# Altium PCB PCB_CARTE_SON.PcbDoc (part 3 of 5)
Units mil, origin at the board's own origin, x right, y up, seen from the top; angles counter-clockwise.
Board outline 6000 x 4000 mil, 2 copper layers (Top Layer, Bottom Layer); 1714 components, 935 nets, 4585 pads, 9 vias.
Unrouted connection lines stored in the file: 2325.
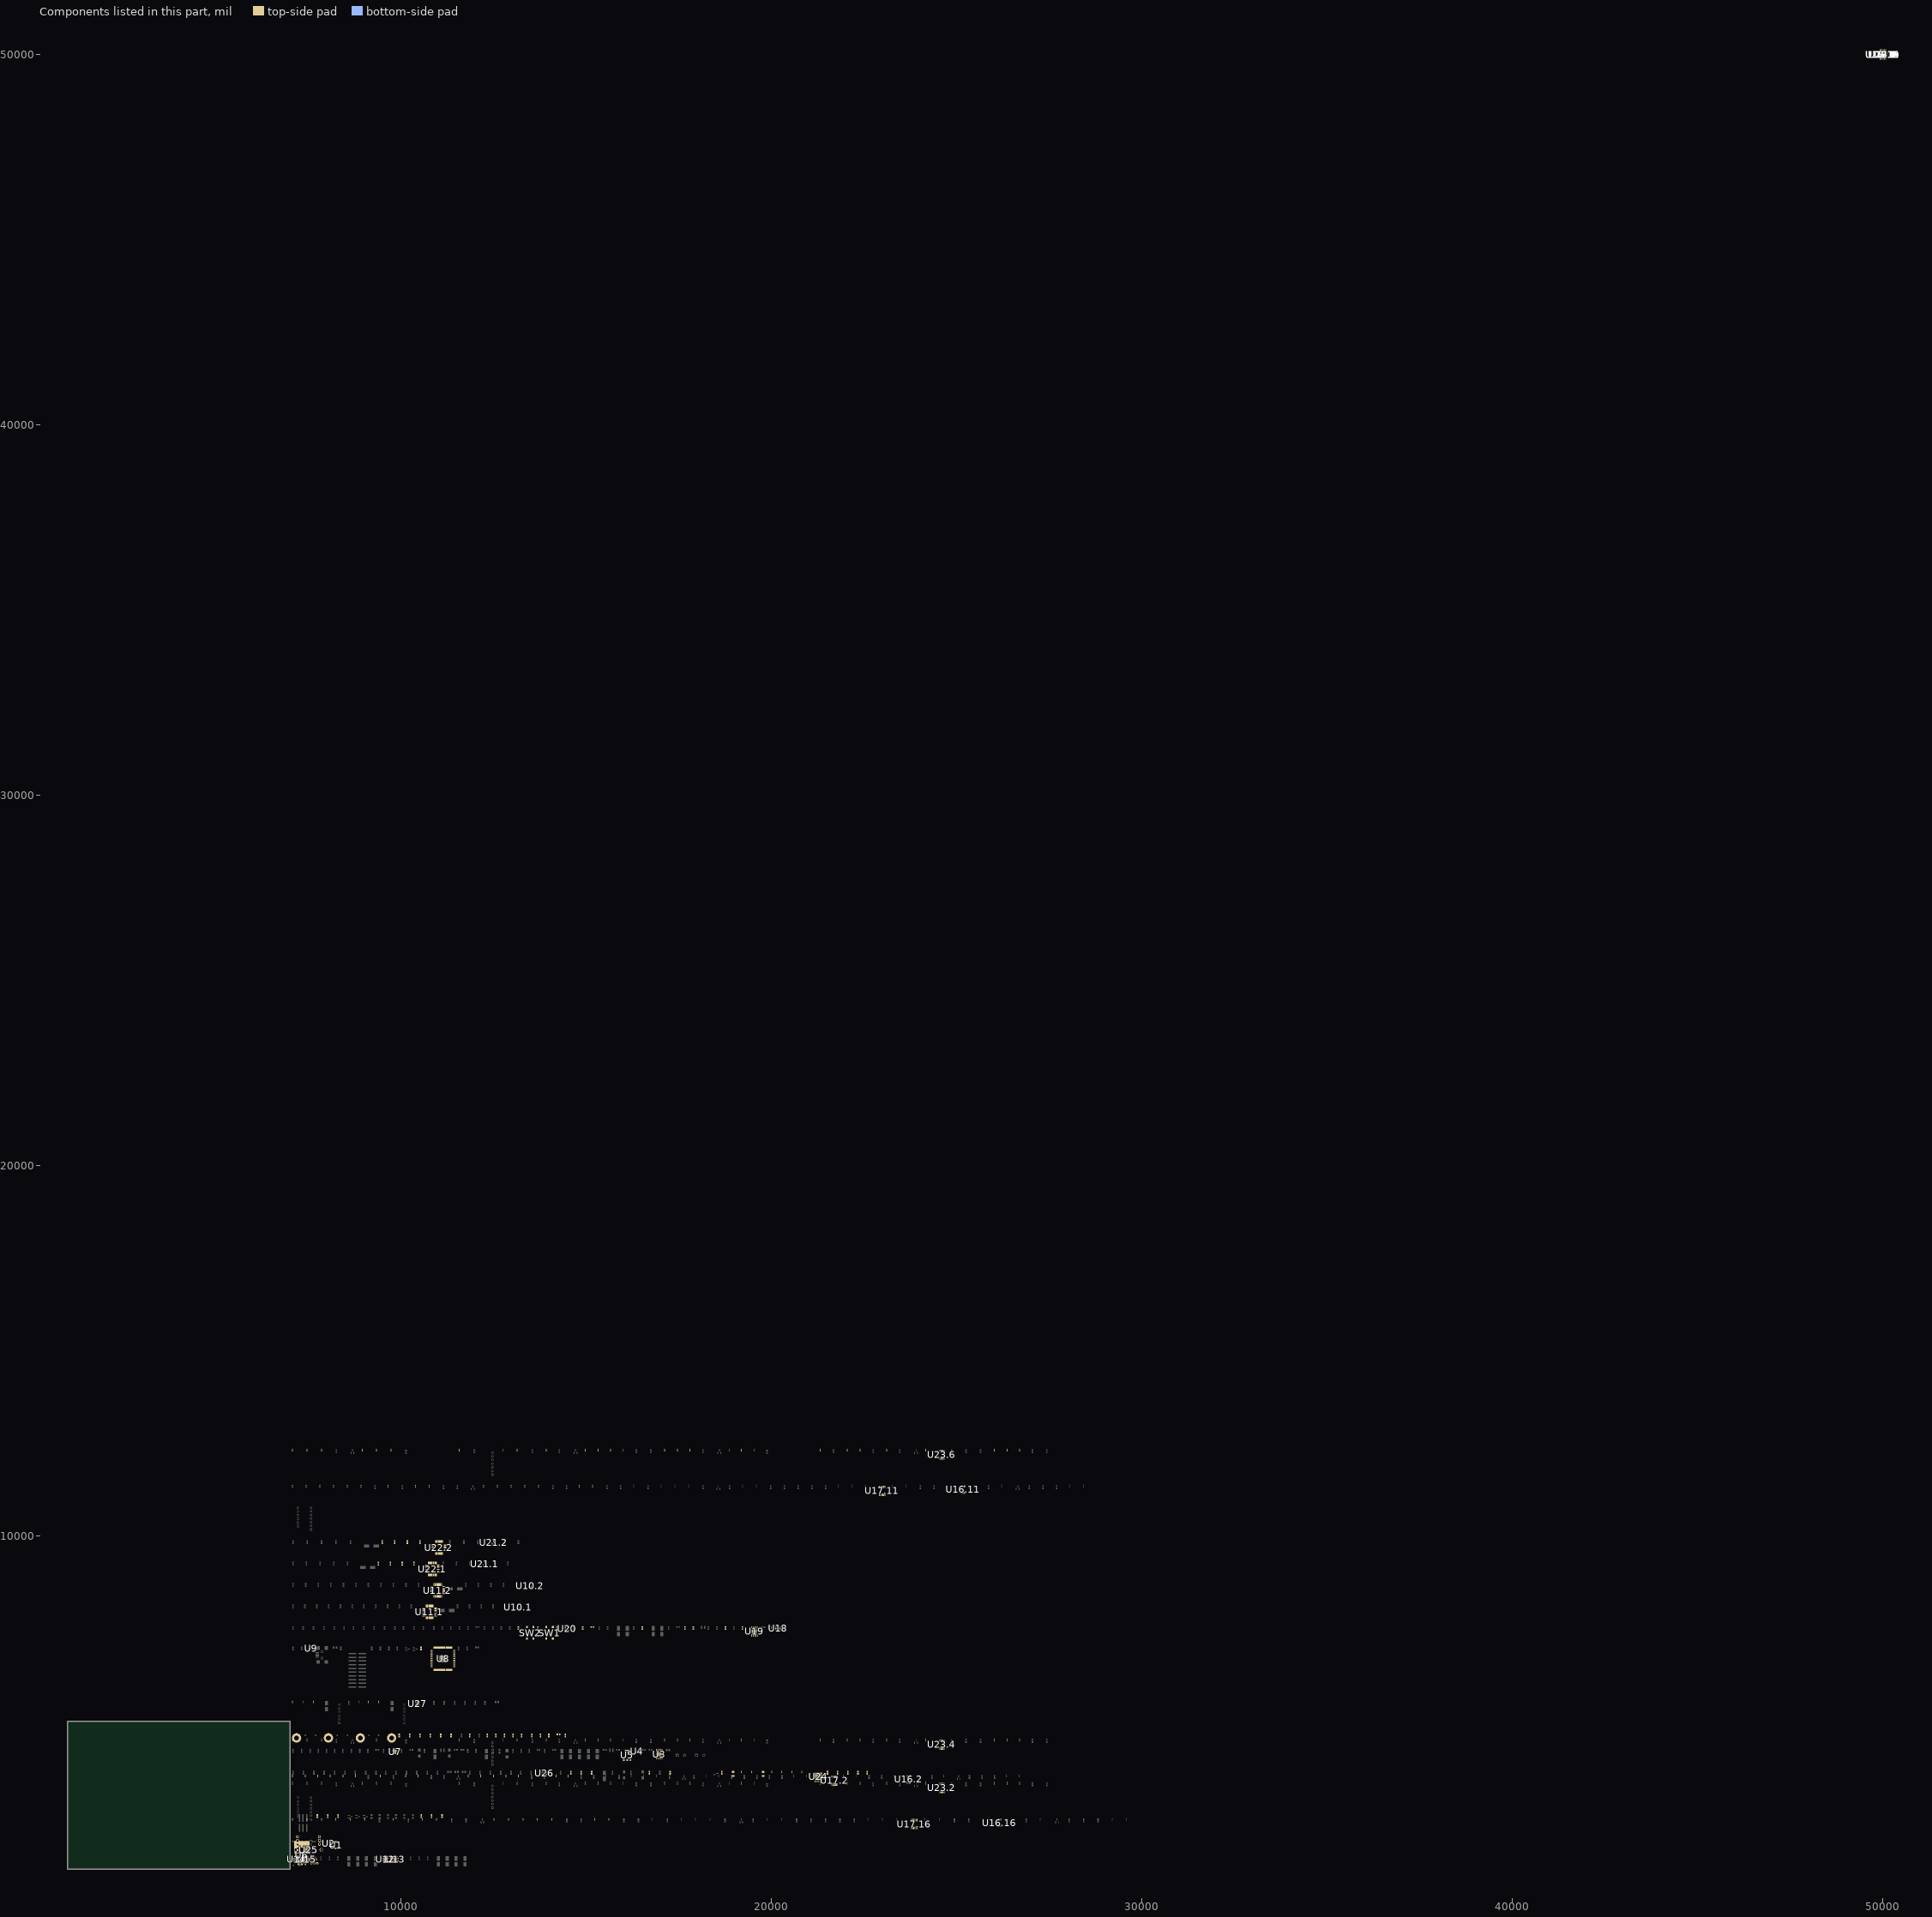
[diagram p3: the components of this part, seen from the top]

## Components (designator, comment, footprint, x,y, rotation, side; value= is the part's Value field where it differs from the comment) (continued)
R50.1 "Resistor" 0402 49999.5,49999.5 r0 top (schematic designator R50)
R50.2 "Resistor" 0402 14510,3520 r90 top (schematic designator R50)
R50.3 "Resistor" 0402 49999.5,49999.5 r0 top (schematic designator R50)
R50.4 "Resistor" 0402 49999.5,49999.5 r0 top (schematic designator R50)
R50.5 "Resistor" 0402 49999.5,49999.5 r0 top (schematic designator R50)
R50.6 "Resistor" 0402 49999.5,49999.5 r0 top (schematic designator R50)
R50.7 "Resistor" 0402 49999.5,49999.5 r0 top (schematic designator R50)
R50.8 "Resistor" 0402 49999.5,49999.5 r0 top (schematic designator R50)
R50.9 "Resistor" 0402 49999.5,49999.5 r0 top (schematic designator R50)
R50.10 "Resistor" 0402 49999.5,49999.5 r0 top (schematic designator R50)
R50.11 "Resistor" 0402 15170,11345 r90 top (schematic designator R50)
R50.12 "Resistor" 0402 49999.5,49999.5 r0 top (schematic designator R50)
R50.13 "Resistor" 0402 49999.5,49999.5 r0 top (schematic designator R50)
R50.14 "Resistor" 0402 49999.5,49999.5 r0 top (schematic designator R50)
R50.15 "Resistor" 0402 49999.5,49999.5 r0 top (schematic designator R50)
R50.16 "Resistor" 0402 15610,2350 r90 top (schematic designator R50)
R51.1 "Resistor" 0402 49999.5,49999.5 r0 top (schematic designator R51)
R51.2 "Resistor" 0402 14180,3520 r90 top (schematic designator R51)
R51.3 "Resistor" 0402 49999.5,49999.5 r0 top (schematic designator R51)
R51.4 "Resistor" 0402 49999.5,49999.5 r0 top (schematic designator R51)
R51.5 "Resistor" 0402 49999.5,49999.5 r0 top (schematic designator R51)
R51.6 "Resistor" 0402 49999.5,49999.5 r0 top (schematic designator R51)
R51.7 "Resistor" 0402 49999.5,49999.5 r0 top (schematic designator R51)
R51.8 "Resistor" 0402 49999.5,49999.5 r0 top (schematic designator R51)
R51.9 "Resistor" 0402 49999.5,49999.5 r0 top (schematic designator R51)
R51.10 "Resistor" 0402 49999.5,49999.5 r0 top (schematic designator R51)
R51.11 "Resistor" 0402 14810,11345 r90 top (schematic designator R51)
R51.12 "Resistor" 0402 49999.5,49999.5 r0 top (schematic designator R51)
R51.13 "Resistor" 0402 49999.5,49999.5 r0 top (schematic designator R51)
R51.14 "Resistor" 0402 49999.5,49999.5 r0 top (schematic designator R51)
R51.15 "Resistor" 0402 49999.5,49999.5 r0 top (schematic designator R51)
R51.16 "Resistor" 0402 15230,2350 r90 top (schematic designator R51)
R52.1 "Resistor" 0402 49999.5,49999.5 r0 top (schematic designator R52)
R52.2 "Resistor" 0402 13170,3520 r90 top (schematic designator R52)
R52.3 "Resistor" 0402 49999.5,49999.5 r0 top (schematic designator R52)
R52.4 "Resistor" 0402 49999.5,49999.5 r0 top (schematic designator R52)
R52.5 "Resistor" 0402 49999.5,49999.5 r0 top (schematic designator R52)
R52.6 "Resistor" 0402 49999.5,49999.5 r0 top (schematic designator R52)
R52.7 "Resistor" 0402 49999.5,49999.5 r0 top (schematic designator R52)
R52.8 "Resistor" 0402 49999.5,49999.5 r0 top (schematic designator R52)
R52.9 "Resistor" 0402 49999.5,49999.5 r0 top (schematic designator R52)
R52.10 "Resistor" 0402 49999.5,49999.5 r0 top (schematic designator R52)
R52.11 "Resistor" 0402 13710,11345 r90 top (schematic designator R52)
R52.12 "Resistor" 0402 49999.5,49999.5 r0 top (schematic designator R52)
R52.13 "Resistor" 0402 49999.5,49999.5 r0 top (schematic designator R52)
R52.14 "Resistor" 0402 49999.5,49999.5 r0 top (schematic designator R52)
R52.15 "Resistor" 0402 49999.5,49999.5 r0 top (schematic designator R52)
R52.16 "Resistor" 0402 14070,2350 r90 top (schematic designator R52)
R53.1 "Resistor" 0402 49999.5,49999.5 r0 top (schematic designator R53)
R53.2 "Resistor" 0402 12830,3520 r90 top (schematic designator R53)
R53.3 "Resistor" 0402 49999.5,49999.5 r0 top (schematic designator R53)
R53.4 "Resistor" 0402 49999.5,49999.5 r0 top (schematic designator R53)
R53.5 "Resistor" 0402 49999.5,49999.5 r0 top (schematic designator R53)
R53.6 "Resistor" 0402 49999.5,49999.5 r0 top (schematic designator R53)
R53.7 "Resistor" 0402 49999.5,49999.5 r0 top (schematic designator R53)
R53.8 "Resistor" 0402 49999.5,49999.5 r0 top (schematic designator R53)
R53.9 "Resistor" 0402 49999.5,49999.5 r0 top (schematic designator R53)
R53.10 "Resistor" 0402 49999.5,49999.5 r0 top (schematic designator R53)
R53.11 "Resistor" 0402 13340,11345 r90 top (schematic designator R53)
R53.12 "Resistor" 0402 49999.5,49999.5 r0 top (schematic designator R53)
R53.13 "Resistor" 0402 49999.5,49999.5 r0 top (schematic designator R53)
R53.14 "Resistor" 0402 49999.5,49999.5 r0 top (schematic designator R53)
R53.15 "Resistor" 0402 49999.5,49999.5 r0 top (schematic designator R53)
R53.16 "Resistor" 0402 13680,2350 r90 top (schematic designator R53)
R54.1 "Resistor" 0402 49999.5,49999.5 r0 top (schematic designator R54)
R54.2 "Resistor" 0402 12490,3520 r90 top (schematic designator R54)
R54.3 "Resistor" 0402 49999.5,49999.5 r0 top (schematic designator R54)
R54.4 "Resistor" 0402 49999.5,49999.5 r0 top (schematic designator R54)
R54.5 "Resistor" 0402 49999.5,49999.5 r0 top (schematic designator R54)
R54.6 "Resistor" 0402 49999.5,49999.5 r0 top (schematic designator R54)
R54.7 "Resistor" 0402 49999.5,49999.5 r0 top (schematic designator R54)
R54.8 "Resistor" 0402 49999.5,49999.5 r0 top (schematic designator R54)
R54.9 "Resistor" 0402 49999.5,49999.5 r0 top (schematic designator R54)
R54.10 "Resistor" 0402 49999.5,49999.5 r0 top (schematic designator R54)
R54.11 "Resistor" 0402 12970,11345 r90 top (schematic designator R54)
R54.12 "Resistor" 0402 49999.5,49999.5 r0 top (schematic designator R54)
R54.13 "Resistor" 0402 49999.5,49999.5 r0 top (schematic designator R54)
R54.14 "Resistor" 0402 49999.5,49999.5 r0 top (schematic designator R54)
R54.15 "Resistor" 0402 49999.5,49999.5 r0 top (schematic designator R54)
R54.16 "Resistor" 0402 13290,2350 r90 top (schematic designator R54)
R55.1 "Resistor" 0402 49999.5,49999.5 r0 top (schematic designator R55)
R55.2 "Resistor" 0402 12150,3520 r90 top (schematic designator R55)
R55.3 "Resistor" 0402 49999.5,49999.5 r0 top (schematic designator R55)
R55.4 "Resistor" 0402 49999.5,49999.5 r0 top (schematic designator R55)
R55.5 "Resistor" 0402 49999.5,49999.5 r0 top (schematic designator R55)
R55.6 "Resistor" 0402 49999.5,49999.5 r0 top (schematic designator R55)
R55.7 "Resistor" 0402 49999.5,49999.5 r0 top (schematic designator R55)
R55.8 "Resistor" 0402 49999.5,49999.5 r0 top (schematic designator R55)
R55.9 "Resistor" 0402 49999.5,49999.5 r0 top (schematic designator R55)
R55.10 "Resistor" 0402 49999.5,49999.5 r0 top (schematic designator R55)
R55.11 "Resistor" 0402 12600,11345 r90 top (schematic designator R55)
R55.12 "Resistor" 0402 49999.5,49999.5 r0 top (schematic designator R55)
R55.13 "Resistor" 0402 49999.5,49999.5 r0 top (schematic designator R55)
R55.14 "Resistor" 0402 49999.5,49999.5 r0 top (schematic designator R55)
R55.15 "Resistor" 0402 49999.5,49999.5 r0 top (schematic designator R55)
R55.16 "Resistor" 0402 12900,2350 r90 top (schematic designator R55)
R56.1 "Resistor" 0402 49999.5,49999.5 r0 top (schematic designator R56)
R56.2 "Resistor" 0402 11810,3520 r90 top (schematic designator R56)
R56.3 "Resistor" 0402 49999.5,49999.5 r0 top (schematic designator R56)
R56.4 "Resistor" 0402 49999.5,49999.5 r0 top (schematic designator R56)
R56.5 "Resistor" 0402 49999.5,49999.5 r0 top (schematic designator R56)
R56.6 "Resistor" 0402 49999.5,49999.5 r0 top (schematic designator R56)
R56.7 "Resistor" 0402 49999.5,49999.5 r0 top (schematic designator R56)
R56.8 "Resistor" 0402 49999.5,49999.5 r0 top (schematic designator R56)
R56.9 "Resistor" 0402 49999.5,49999.5 r0 top (schematic designator R56)
R56.10 "Resistor" 0402 49999.5,49999.5 r0 top (schematic designator R56)
R56.11 "Resistor" 0402 12230,11345 r90 top (schematic designator R56)
R56.12 "Resistor" 0402 49999.5,49999.5 r0 top (schematic designator R56)
R56.13 "Resistor" 0402 49999.5,49999.5 r0 top (schematic designator R56)
R56.14 "Resistor" 0402 49999.5,49999.5 r0 top (schematic designator R56)
R56.15 "Resistor" 0402 49999.5,49999.5 r0 top (schematic designator R56)
R56.16 "Resistor" 0402 12510,2350 r90 top (schematic designator R56)
R57.1 "Resistor" 0402 49999.5,49999.5 r0 top (schematic designator R57)
R57.2 "Resistor" 0402 10120,3520 r90 top (schematic designator R57)
R57.3 "Resistor" 0402 49999.5,49999.5 r0 top (schematic designator R57)
R57.4 "Resistor" 0402 49999.5,49999.5 r0 top (schematic designator R57)
R57.5 "Resistor" 0402 49999.5,49999.5 r0 top (schematic designator R57)
R57.6 "Resistor" 0402 49999.5,49999.5 r0 top (schematic designator R57)
R57.7 "Resistor" 0402 49999.5,49999.5 r0 top (schematic designator R57)
R57.8 "Resistor" 0402 49999.5,49999.5 r0 top (schematic designator R57)
R57.9 "Resistor" 0402 49999.5,49999.5 r0 top (schematic designator R57)
R57.10 "Resistor" 0402 49999.5,49999.5 r0 top (schematic designator R57)
R57.11 "Resistor" 0402 10390,11345 r90 top (schematic designator R57)
R57.12 "Resistor" 0402 49999.5,49999.5 r0 top (schematic designator R57)
R57.13 "Resistor" 0402 49999.5,49999.5 r0 top (schematic designator R57)
R57.14 "Resistor" 0402 49999.5,49999.5 r0 top (schematic designator R57)
R57.15 "Resistor" 0402 49999.5,49999.5 r0 top (schematic designator R57)
R57.16 "Resistor" 0402 10570,2350 r90 top (schematic designator R57)
R58.1 "Resistor" 0402 49999.5,49999.5 r0 top (schematic designator R58)
R58.2 "Resistor" 0402 10460,3520 r90 top (schematic designator R58)
R58.3 "Resistor" 0402 49999.5,49999.5 r0 top (schematic designator R58)
R58.4 "Resistor" 0402 49999.5,49999.5 r0 top (schematic designator R58)
R58.5 "Resistor" 0402 49999.5,49999.5 r0 top (schematic designator R58)
R58.6 "Resistor" 0402 49999.5,49999.5 r0 top (schematic designator R58)
R58.7 "Resistor" 0402 49999.5,49999.5 r0 top (schematic designator R58)
R58.8 "Resistor" 0402 49999.5,49999.5 r0 top (schematic designator R58)
R58.9 "Resistor" 0402 49999.5,49999.5 r0 top (schematic designator R58)
R58.10 "Resistor" 0402 49999.5,49999.5 r0 top (schematic designator R58)
R58.11 "Resistor" 0402 10760,11345 r90 top (schematic designator R58)
R58.12 "Resistor" 0402 49999.5,49999.5 r0 top (schematic designator R58)
R58.13 "Resistor" 0402 49999.5,49999.5 r0 top (schematic designator R58)
R58.14 "Resistor" 0402 49999.5,49999.5 r0 top (schematic designator R58)
R58.15 "Resistor" 0402 49999.5,49999.5 r0 top (schematic designator R58)
R58.16 "Resistor" 0402 10960,2350 r90 top (schematic designator R58)
R59.1 "Resistor" 0402 49999.5,49999.5 r0 top (schematic designator R59)
R59.2 "Resistor" 0402 9440,3520 r90 top (schematic designator R59)
R59.3 "Resistor" 0402 49999.5,49999.5 r0 top (schematic designator R59)
R59.4 "Resistor" 0402 49999.5,49999.5 r0 top (schematic designator R59)
R59.5 "Resistor" 0402 49999.5,49999.5 r0 top (schematic designator R59)
R59.6 "Resistor" 0402 49999.5,49999.5 r0 top (schematic designator R59)
R59.7 "Resistor" 0402 49999.5,49999.5 r0 top (schematic designator R59)
R59.8 "Resistor" 0402 49999.5,49999.5 r0 top (schematic designator R59)
R59.9 "Resistor" 0402 49999.5,49999.5 r0 top (schematic designator R59)
R59.10 "Resistor" 0402 49999.5,49999.5 r0 top (schematic designator R59)
R59.11 "Resistor" 0402 9650,11345 r90 top (schematic designator R59)
R59.12 "Resistor" 0402 49999.5,49999.5 r0 top (schematic designator R59)
R59.13 "Resistor" 0402 49999.5,49999.5 r0 top (schematic designator R59)
R59.14 "Resistor" 0402 49999.5,49999.5 r0 top (schematic designator R59)
R59.15 "Resistor" 0402 49999.5,49999.5 r0 top (schematic designator R59)
R59.16 "Resistor" 0402 9790,2350 r90 top (schematic designator R59)
R60.1 "Resistor" 0402 49999.5,49999.5 r0 top (schematic designator R60)
R60.2 "Resistor" 0402 8430,3520 r90 top (schematic designator R60)
R60.3 "Resistor" 0402 49999.5,49999.5 r0 top (schematic designator R60)
R60.4 "Resistor" 0402 49999.5,49999.5 r0 top (schematic designator R60)
R60.5 "Resistor" 0402 49999.5,49999.5 r0 top (schematic designator R60)
R60.6 "Resistor" 0402 49999.5,49999.5 r0 top (schematic designator R60)
R60.7 "Resistor" 0402 49999.5,49999.5 r0 top (schematic designator R60)
R60.8 "Resistor" 0402 49999.5,49999.5 r0 top (schematic designator R60)
R60.9 "Resistor" 0402 49999.5,49999.5 r0 top (schematic designator R60)
R60.10 "Resistor" 0402 49999.5,49999.5 r0 top (schematic designator R60)
R60.11 "Resistor" 0402 8550,11345 r90 top (schematic designator R60)
R60.12 "Resistor" 0402 49999.5,49999.5 r0 top (schematic designator R60)
R60.13 "Resistor" 0402 49999.5,49999.5 r0 top (schematic designator R60)
R60.14 "Resistor" 0402 49999.5,49999.5 r0 top (schematic designator R60)
R60.15 "Resistor" 0402 49999.5,49999.5 r0 top (schematic designator R60)
R60.16 "Resistor" 0402 8630,2350 r90 top (schematic designator R60)
R61.1 "Resistor" 0402 49999.5,49999.5 r0 top (schematic designator R61)
R61.2 "Resistor" 0402 8770,3520 r90 top (schematic designator R61)
R61.3 "Resistor" 0402 49999.5,49999.5 r0 top (schematic designator R61)
R61.4 "Resistor" 0402 49999.5,49999.5 r0 top (schematic designator R61)
R61.5 "Resistor" 0402 49999.5,49999.5 r0 top (schematic designator R61)
R61.6 "Resistor" 0402 49999.5,49999.5 r0 top (schematic designator R61)
R61.7 "Resistor" 0402 49999.5,49999.5 r0 top (schematic designator R61)
R61.8 "Resistor" 0402 49999.5,49999.5 r0 top (schematic designator R61)
R61.9 "Resistor" 0402 49999.5,49999.5 r0 top (schematic designator R61)
R61.10 "Resistor" 0402 49999.5,49999.5 r0 top (schematic designator R61)
R61.11 "Resistor" 0402 8920,11345 r90 top (schematic designator R61)
R61.12 "Resistor" 0402 49999.5,49999.5 r0 top (schematic designator R61)
R61.13 "Resistor" 0402 49999.5,49999.5 r0 top (schematic designator R61)
R61.14 "Resistor" 0402 49999.5,49999.5 r0 top (schematic designator R61)
R61.15 "Resistor" 0402 49999.5,49999.5 r0 top (schematic designator R61)
R61.16 "Resistor" 0402 9020,2350 r90 top (schematic designator R61)
R62.1 "Resistor" 0402 49999.5,49999.5 r0 top (schematic designator R62)
R62.2 "Resistor" 0402 8090,3520 r90 top (schematic designator R62)
R62.3 "Resistor" 0402 49999.5,49999.5 r0 top (schematic designator R62)
R62.4 "Resistor" 0402 49999.5,49999.5 r0 top (schematic designator R62)
R62.5 "Resistor" 0402 49999.5,49999.5 r0 top (schematic designator R62)
R62.6 "Resistor" 0402 49999.5,49999.5 r0 top (schematic designator R62)
R62.7 "Resistor" 0402 49999.5,49999.5 r0 top (schematic designator R62)
R62.8 "Resistor" 0402 49999.5,49999.5 r0 top (schematic designator R62)
R62.9 "Resistor" 0402 49999.5,49999.5 r0 top (schematic designator R62)
R62.10 "Resistor" 0402 49999.5,49999.5 r0 top (schematic designator R62)
R62.11 "Resistor" 0402 8180,11345 r90 top (schematic designator R62)
R62.12 "Resistor" 0402 49999.5,49999.5 r0 top (schematic designator R62)
R62.13 "Resistor" 0402 49999.5,49999.5 r0 top (schematic designator R62)
R62.14 "Resistor" 0402 49999.5,49999.5 r0 top (schematic designator R62)
R62.15 "Resistor" 0402 49999.5,49999.5 r0 top (schematic designator R62)
R62.16 "Resistor" 0402 8240,2350 r90 top (schematic designator R62)
R63.1 "Resistor" 0402 49999.5,49999.5 r0 top (schematic designator R63)
R63.2 "Resistor" 0402 7070,3520 r90 top (schematic designator R63)
R63.3 "Resistor" 0402 49999.5,49999.5 r0 top (schematic designator R63)
R63.4 "Resistor" 0402 49999.5,49999.5 r0 top (schematic designator R63)
R63.5 "Resistor" 0402 49999.5,49999.5 r0 top (schematic designator R63)
R63.6 "Resistor" 0402 49999.5,49999.5 r0 top (schematic designator R63)
R63.7 "Resistor" 0402 49999.5,49999.5 r0 top (schematic designator R63)
R63.8 "Resistor" 0402 49999.5,49999.5 r0 top (schematic designator R63)
R63.9 "Resistor" 0402 49999.5,49999.5 r0 top (schematic designator R63)
R63.10 "Resistor" 0402 49999.5,49999.5 r0 top (schematic designator R63)
R63.11 "Resistor" 0402 7070,11345 r90 top (schematic designator R63)
R63.12 "Resistor" 0402 49999.5,49999.5 r0 top (schematic designator R63)
R63.13 "Resistor" 0402 49999.5,49999.5 r0 top (schematic designator R63)
R63.14 "Resistor" 0402 49999.5,49999.5 r0 top (schematic designator R63)
R63.15 "Resistor" 0402 49999.5,49999.5 r0 top (schematic designator R63)
R63.16 "Resistor" 0402 7070,2350 r90 top (schematic designator R63)
R64.1 "Resistor" 0402 49999.5,49999.5 r0 top (schematic designator R64)
R64.2 "Resistor" 0402 7410,3520 r90 top (schematic designator R64)
R64.3 "Resistor" 0402 49999.5,49999.5 r0 top (schematic designator R64)
R64.4 "Resistor" 0402 49999.5,49999.5 r0 top (schematic designator R64)
R64.5 "Resistor" 0402 49999.5,49999.5 r0 top (schematic designator R64)
R64.6 "Resistor" 0402 49999.5,49999.5 r0 top (schematic designator R64)
R64.7 "Resistor" 0402 49999.5,49999.5 r0 top (schematic designator R64)
R64.8 "Resistor" 0402 49999.5,49999.5 r0 top (schematic designator R64)
R64.9 "Resistor" 0402 49999.5,49999.5 r0 top (schematic designator R64)
R64.10 "Resistor" 0402 49999.5,49999.5 r0 top (schematic designator R64)
R64.11 "Resistor" 0402 7440,11345 r90 top (schematic designator R64)
R64.12 "Resistor" 0402 49999.5,49999.5 r0 top (schematic designator R64)
R64.13 "Resistor" 0402 49999.5,49999.5 r0 top (schematic designator R64)
R64.14 "Resistor" 0402 49999.5,49999.5 r0 top (schematic designator R64)
R64.15 "Resistor" 0402 49999.5,49999.5 r0 top (schematic designator R64)
R64.16 "Resistor" 0402 7460,2350 r90 top (schematic designator R64)
R65.1 "Resistor" 0402 49999.5,49999.5 r0 top (schematic designator R65)
R65.2 "Resistor" 0402 7750,3520 r90 top (schematic designator R65)
R65.3 "Resistor" 0402 49999.5,49999.5 r0 top (schematic designator R65)
R65.4 "Resistor" 0402 49999.5,49999.5 r0 top (schematic designator R65)
R65.5 "Resistor" 0402 49999.5,49999.5 r0 top (schematic designator R65)
R65.6 "Resistor" 0402 49999.5,49999.5 r0 top (schematic designator R65)
R65.7 "Resistor" 0402 49999.5,49999.5 r0 top (schematic designator R65)
R65.8 "Resistor" 0402 49999.5,49999.5 r0 top (schematic designator R65)
R65.9 "Resistor" 0402 49999.5,49999.5 r0 top (schematic designator R65)
R65.10 "Resistor" 0402 49999.5,49999.5 r0 top (schematic designator R65)
R65.11 "Resistor" 0402 7810,11345 r90 top (schematic designator R65)
R65.12 "Resistor" 0402 49999.5,49999.5 r0 top (schematic designator R65)
R65.13 "Resistor" 0402 49999.5,49999.5 r0 top (schematic designator R65)
R65.14 "Resistor" 0402 49999.5,49999.5 r0 top (schematic designator R65)
R65.15 "Resistor" 0402 49999.5,49999.5 r0 top (schematic designator R65)
R65.16 "Resistor" 0402 7850,2350 r90 top (schematic designator R65)
R66 "Resistor" 0603 19215,7515 r90 top
R67 "Resistor" 0603 18755,7515 r90 top
R68 "Resistor" 0603 17890,7515 r90 top
R69 "Resistor" 0603 17660,7515 r90 top
R70 "Resistor" 0603 16510,7515 r90 top
R71 "Resistor" 0603 15165,7545 r0 top
R72 "Resistor" 0603 14900,7515 r90 top
R73 "Resistor" 0603 14670,7515 r90 top
R74 "Resistor" 0603 14210,7515 r90 top
R75 "Resistor" 0603 13690,7515 r90 top
R76 "Resistor" 0603 13165,7515 r90 top
R77.1 "Resistor" 0603 10350,9255 r90 top (schematic designator R77)
R77.2 "Resistor" 0603 10510,9835 r90 top (schematic designator R77)
R78.1 "Resistor" 0603 10030,9255 r90 top (schematic designator R78)
R78.2 "Resistor" 0603 10170,9835 r90 top (schematic designator R78)
R79.1 "Resistor" 0603 9710,9255 r90 top (schematic designator R79)
R79.2 "Resistor" 0603 9830,9835 r90 top (schematic designator R79)
R80.1 "Resistor" 0603 9390,9255 r90 top (schematic designator R80)
R80.2 "Resistor" 0603 9490,9835 r90 top (schematic designator R80)
R81.1 "Resistor" 0402 49999.5,49999.5 r0 top (schematic designator R81)
R81.2 "Resistor" 0402 26695,3325 r90 top (schematic designator R81)
R81.3 "Resistor" 0402 49999.5,49999.5 r0 top (schematic designator R81)
R81.4 "Resistor" 0402 26695,4495 r90 top (schematic designator R81)
R81.5 "Resistor" 0402 49999.5,49999.5 r0 top (schematic designator R81)
R81.6 "Resistor" 0402 26695,12320 r90 top (schematic designator R81)
R81.7 "Resistor" 0402 49999.5,49999.5 r0 top (schematic designator R81)
R81.8 "Resistor" 0402 49999.5,49999.5 r0 top (schematic designator R81)
R82.1 "Resistor" 0402 49999.5,49999.5 r0 top (schematic designator R82)
R82.2 "Resistor" 0402 26355,3325 r90 top (schematic designator R82)
R82.3 "Resistor" 0402 49999.5,49999.5 r0 top (schematic designator R82)
R82.4 "Resistor" 0402 26355,4495 r90 top (schematic designator R82)
R82.5 "Resistor" 0402 49999.5,49999.5 r0 top (schematic designator R82)
R82.6 "Resistor" 0402 26355,12320 r90 top (schematic designator R82)
R82.7 "Resistor" 0402 49999.5,49999.5 r0 top (schematic designator R82)
R82.8 "Resistor" 0402 49999.5,49999.5 r0 top (schematic designator R82)
R83.1 "Resistor" 0402 49999.5,49999.5 r0 top (schematic designator R83)
R83.2 "Resistor" 0402 26015,3325 r90 top (schematic designator R83)
R83.3 "Resistor" 0402 49999.5,49999.5 r0 top (schematic designator R83)
R83.4 "Resistor" 0402 26015,4495 r90 top (schematic designator R83)
R83.5 "Resistor" 0402 49999.5,49999.5 r0 top (schematic designator R83)
R83.6 "Resistor" 0402 26015,12320 r90 top (schematic designator R83)
R83.7 "Resistor" 0402 49999.5,49999.5 r0 top (schematic designator R83)
R83.8 "Resistor" 0402 49999.5,49999.5 r0 top (schematic designator R83)
R84.1 "Resistor" 0402 49999.5,49999.5 r0 top (schematic designator R84)
R84.2 "Resistor" 0402 24165,3325 r90 top (schematic designator R84)
R84.3 "Resistor" 0402 49999.5,49999.5 r0 top (schematic designator R84)
R84.4 "Resistor" 0402 24165,4495 r90 top (schematic designator R84)
R84.5 "Resistor" 0402 49999.5,49999.5 r0 top (schematic designator R84)
R84.6 "Resistor" 0402 24165,12320 r90 top (schematic designator R84)
R84.7 "Resistor" 0402 49999.5,49999.5 r0 top (schematic designator R84)
R84.8 "Resistor" 0402 49999.5,49999.5 r0 top (schematic designator R84)
R85.1 "Resistor" 0402 49999.5,49999.5 r0 top (schematic designator R85)
R85.2 "Resistor" 0402 23105,3325 r90 top (schematic designator R85)
R85.3 "Resistor" 0402 49999.5,49999.5 r0 top (schematic designator R85)
R85.4 "Resistor" 0402 23105,4495 r90 top (schematic designator R85)
R85.5 "Resistor" 0402 49999.5,49999.5 r0 top (schematic designator R85)
R85.6 "Resistor" 0402 23105,12320 r90 top (schematic designator R85)
R85.7 "Resistor" 0402 49999.5,49999.5 r0 top (schematic designator R85)
R85.8 "Resistor" 0402 49999.5,49999.5 r0 top (schematic designator R85)
R86.1 "Resistor" 0402 49999.5,49999.5 r0 top (schematic designator R86)
R86.2 "Resistor" 0402 22385,3325 r90 top (schematic designator R86)
R86.3 "Resistor" 0402 49999.5,49999.5 r0 top (schematic designator R86)
R86.4 "Resistor" 0402 22385,4495 r90 top (schematic designator R86)
R86.5 "Resistor" 0402 49999.5,49999.5 r0 top (schematic designator R86)
R86.6 "Resistor" 0402 22385,12320 r90 top (schematic designator R86)
R86.7 "Resistor" 0402 49999.5,49999.5 r0 top (schematic designator R86)
R86.8 "Resistor" 0402 49999.5,49999.5 r0 top (schematic designator R86)
R87.1 "Resistor" 0402 49999.5,49999.5 r0 top (schematic designator R87)
R87.2 "Resistor" 0402 22045,3325 r90 top (schematic designator R87)
R87.3 "Resistor" 0402 49999.5,49999.5 r0 top (schematic designator R87)
R87.4 "Resistor" 0402 22045,4495 r90 top (schematic designator R87)
R87.5 "Resistor" 0402 49999.5,49999.5 r0 top (schematic designator R87)
R87.6 "Resistor" 0402 22045,12320 r90 top (schematic designator R87)
R87.7 "Resistor" 0402 49999.5,49999.5 r0 top (schematic designator R87)
R87.8 "Resistor" 0402 49999.5,49999.5 r0 top (schematic designator R87)
R88.1 "Resistor" 0402 49999.5,49999.5 r0 top (schematic designator R88)
R88.2 "Resistor" 0402 19525,3325 r90 top (schematic designator R88)
R88.3 "Resistor" 0402 49999.5,49999.5 r0 top (schematic designator R88)
R88.4 "Resistor" 0402 19525,4495 r90 top (schematic designator R88)
R88.5 "Resistor" 0402 49999.5,49999.5 r0 top (schematic designator R88)
R88.6 "Resistor" 0402 19525,12320 r90 top (schematic designator R88)
R88.7 "Resistor" 0402 49999.5,49999.5 r0 top (schematic designator R88)
R88.8 "Resistor" 0402 49999.5,49999.5 r0 top (schematic designator R88)
R89.1 "Resistor" 0402 49999.5,49999.5 r0 top (schematic designator R89)
R89.2 "Resistor" 0402 21315,3325 r90 top (schematic designator R89)
R89.3 "Resistor" 0402 49999.5,49999.5 r0 top (schematic designator R89)
R89.4 "Resistor" 0402 21315,4495 r90 top (schematic designator R89)
R89.5 "Resistor" 0402 49999.5,49999.5 r0 top (schematic designator R89)
R89.6 "Resistor" 0402 21315,12320 r90 top (schematic designator R89)
R89.7 "Resistor" 0402 49999.5,49999.5 r0 top (schematic designator R89)
R89.8 "Resistor" 0402 49999.5,49999.5 r0 top (schematic designator R89)
R90.1 "Resistor" 0402 49999.5,49999.5 r0 top (schematic designator R90)
R90.2 "Resistor" 0402 19185,3325 r90 top (schematic designator R90)
R90.3 "Resistor" 0402 49999.5,49999.5 r0 top (schematic designator R90)
R90.4 "Resistor" 0402 19185,4495 r90 top (schematic designator R90)
R90.5 "Resistor" 0402 49999.5,49999.5 r0 top (schematic designator R90)
R90.6 "Resistor" 0402 19185,12320 r90 top (schematic designator R90)
R90.7 "Resistor" 0402 49999.5,49999.5 r0 top (schematic designator R90)
R90.8 "Resistor" 0402 49999.5,49999.5 r0 top (schematic designator R90)
R91.1 "Resistor" 0402 49999.5,49999.5 r0 top (schematic designator R91)
R91.2 "Resistor" 0402 18855,3325 r90 top (schematic designator R91)
R91.3 "Resistor" 0402 49999.5,49999.5 r0 top (schematic designator R91)
R91.4 "Resistor" 0402 18855,4495 r90 top (schematic designator R91)
R91.5 "Resistor" 0402 49999.5,49999.5 r0 top (schematic designator R91)
R91.6 "Resistor" 0402 18855,12320 r90 top (schematic designator R91)
R91.7 "Resistor" 0402 49999.5,49999.5 r0 top (schematic designator R91)
R91.8 "Resistor" 0402 49999.5,49999.5 r0 top (schematic designator R91)
R92.1 "Resistor" 0402 49999.5,49999.5 r0 top (schematic designator R92)
R92.2 "Resistor" 0402 17795,3325 r90 top (schematic designator R92)
R92.3 "Resistor" 0402 49999.5,49999.5 r0 top (schematic designator R92)
R92.4 "Resistor" 0402 17795,4495 r90 top (schematic designator R92)
R92.5 "Resistor" 0402 49999.5,49999.5 r0 top (schematic designator R92)
R92.6 "Resistor" 0402 17795,12320 r90 top (schematic designator R92)
R92.7 "Resistor" 0402 49999.5,49999.5 r0 top (schematic designator R92)
R92.8 "Resistor" 0402 49999.5,49999.5 r0 top (schematic designator R92)
R93.1 "Resistor" 0402 49999.5,49999.5 r0 top (schematic designator R93)
R93.2 "Resistor" 0402 17455,3325 r90 top (schematic designator R93)
R93.3 "Resistor" 0402 49999.5,49999.5 r0 top (schematic designator R93)
R93.4 "Resistor" 0402 17455,4495 r90 top (schematic designator R93)
R93.5 "Resistor" 0402 49999.5,49999.5 r0 top (schematic designator R93)
R93.6 "Resistor" 0402 17455,12320 r90 top (schematic designator R93)
R93.7 "Resistor" 0402 49999.5,49999.5 r0 top (schematic designator R93)
R93.8 "Resistor" 0402 49999.5,49999.5 r0 top (schematic designator R93)
R94.1 "Resistor" 0402 49999.5,49999.5 r0 top (schematic designator R94)
R94.2 "Resistor" 0402 17115,3325 r90 top (schematic designator R94)
R94.3 "Resistor" 0402 49999.5,49999.5 r0 top (schematic designator R94)
R94.4 "Resistor" 0402 17115,4495 r90 top (schematic designator R94)
R94.5 "Resistor" 0402 49999.5,49999.5 r0 top (schematic designator R94)
R94.6 "Resistor" 0402 17115,12320 r90 top (schematic designator R94)
R94.7 "Resistor" 0402 49999.5,49999.5 r0 top (schematic designator R94)
R94.8 "Resistor" 0402 49999.5,49999.5 r0 top (schematic designator R94)
R95.1 "Resistor" 0402 49999.5,49999.5 r0 top (schematic designator R95)
R95.2 "Resistor" 0402 15995,3325 r90 top (schematic designator R95)
R95.3 "Resistor" 0402 49999.5,49999.5 r0 top (schematic designator R95)
R95.4 "Resistor" 0402 15995,4495 r90 top (schematic designator R95)
R95.5 "Resistor" 0402 49999.5,49999.5 r0 top (schematic designator R95)
R95.6 "Resistor" 0402 15995,12320 r90 top (schematic designator R95)
R95.7 "Resistor" 0402 49999.5,49999.5 r0 top (schematic designator R95)
R95.8 "Resistor" 0402 49999.5,49999.5 r0 top (schematic designator R95)
R96.1 "Resistor" 0402 49999.5,49999.5 r0 top (schematic designator R96)
R96.2 "Resistor" 0402 15655,3325 r90 top (schematic designator R96)
R96.3 "Resistor" 0402 49999.5,49999.5 r0 top (schematic designator R96)
R96.4 "Resistor" 0402 15655,4495 r90 top (schematic designator R96)
R96.5 "Resistor" 0402 49999.5,49999.5 r0 top (schematic designator R96)
R96.6 "Resistor" 0402 15655,12320 r90 top (schematic designator R96)
R96.7 "Resistor" 0402 49999.5,49999.5 r0 top (schematic designator R96)
R96.8 "Resistor" 0402 49999.5,49999.5 r0 top (schematic designator R96)
R97.1 "Resistor" 0402 49999.5,49999.5 r0 top (schematic designator R97)
R97.2 "Resistor" 0402 15315,3325 r90 top (schematic designator R97)
R97.3 "Resistor" 0402 49999.5,49999.5 r0 top (schematic designator R97)
R97.4 "Resistor" 0402 15315,4495 r90 top (schematic designator R97)
R97.5 "Resistor" 0402 49999.5,49999.5 r0 top (schematic designator R97)
R97.6 "Resistor" 0402 15315,12320 r90 top (schematic designator R97)
R97.7 "Resistor" 0402 49999.5,49999.5 r0 top (schematic designator R97)
R97.8 "Resistor" 0402 49999.5,49999.5 r0 top (schematic designator R97)
R98.1 "Resistor" 0402 49999.5,49999.5 r0 top (schematic designator R98)
R98.2 "Resistor" 0402 14975,3325 r90 top (schematic designator R98)
R98.3 "Resistor" 0402 49999.5,49999.5 r0 top (schematic designator R98)
R98.4 "Resistor" 0402 14975,4495 r90 top (schematic designator R98)
R98.5 "Resistor" 0402 49999.5,49999.5 r0 top (schematic designator R98)
R98.6 "Resistor" 0402 14975,12320 r90 top (schematic designator R98)
R98.7 "Resistor" 0402 49999.5,49999.5 r0 top (schematic designator R98)
R98.8 "Resistor" 0402 49999.5,49999.5 r0 top (schematic designator R98)
R99.1 "Resistor" 0402 49999.5,49999.5 r0 top (schematic designator R99)
R99.2 "Resistor" 0402 13915,3325 r90 top (schematic designator R99)
R99.3 "Resistor" 0402 49999.5,49999.5 r0 top (schematic designator R99)
R99.4 "Resistor" 0402 13915,4495 r90 top (schematic designator R99)
R99.5 "Resistor" 0402 49999.5,49999.5 r0 top (schematic designator R99)
R99.6 "Resistor" 0402 13915,12320 r90 top (schematic designator R99)
R99.7 "Resistor" 0402 49999.5,49999.5 r0 top (schematic designator R99)
R99.8 "Resistor" 0402 49999.5,49999.5 r0 top (schematic designator R99)
R100.1 "Resistor" 0402 49999.5,49999.5 r0 top (schematic designator R100)
R100.2 "Resistor" 0402 13135,3325 r90 top (schematic designator R100)
R100.3 "Resistor" 0402 49999.5,49999.5 r0 top (schematic designator R100)
R100.4 "Resistor" 0402 13135,4495 r90 top (schematic designator R100)
R100.5 "Resistor" 0402 49999.5,49999.5 r0 top (schematic designator R100)
R100.6 "Resistor" 0402 13135,12320 r90 top (schematic designator R100)
R100.7 "Resistor" 0402 49999.5,49999.5 r0 top (schematic designator R100)
R100.8 "Resistor" 0402 49999.5,49999.5 r0 top (schematic designator R100)
R101.1 "Resistor" 0402 49999.5,49999.5 r0 top (schematic designator R101)
R101.2 "Resistor" 0402 12755,3325 r90 top (schematic designator R101)
R101.3 "Resistor" 0402 49999.5,49999.5 r0 top (schematic designator R101)
R101.4 "Resistor" 0402 12755,4495 r90 top (schematic designator R101)
R101.5 "Resistor" 0402 49999.5,49999.5 r0 top (schematic designator R101)
R101.6 "Resistor" 0402 12755,12320 r90 top (schematic designator R101)
R101.7 "Resistor" 0402 49999.5,49999.5 r0 top (schematic designator R101)
R101.8 "Resistor" 0402 49999.5,49999.5 r0 top (schematic designator R101)
R102.1 "Resistor" 0402 49999.5,49999.5 r0 top (schematic designator R102)
R102.2 "Resistor" 0402 9730,3325 r90 top (schematic designator R102)
R102.3 "Resistor" 0402 49999.5,49999.5 r0 top (schematic designator R102)
R102.4 "Resistor" 0402 9730,4495 r90 top (schematic designator R102)
R102.5 "Resistor" 0402 49999.5,49999.5 r0 top (schematic designator R102)
R102.6 "Resistor" 0402 9730,12320 r90 top (schematic designator R102)
R102.7 "Resistor" 0402 49999.5,49999.5 r0 top (schematic designator R102)
R102.8 "Resistor" 0402 49999.5,49999.5 r0 top (schematic designator R102)
R103.1 "Resistor" 0402 49999.5,49999.5 r0 top (schematic designator R103)
R103.2 "Resistor" 0402 11570,3325 r90 top (schematic designator R103)
R103.3 "Resistor" 0402 49999.5,49999.5 r0 top (schematic designator R103)
R103.4 "Resistor" 0402 11570,4495 r90 top (schematic designator R103)
R103.5 "Resistor" 0402 49999.5,49999.5 r0 top (schematic designator R103)
R103.6 "Resistor" 0402 11570,12320 r90 top (schematic designator R103)
R103.7 "Resistor" 0402 49999.5,49999.5 r0 top (schematic designator R103)
R103.8 "Resistor" 0402 49999.5,49999.5 r0 top (schematic designator R103)
R104.1 "Resistor" 0402 49999.5,49999.5 r0 top (schematic designator R104)
R104.2 "Resistor" 0402 9340,3325 r90 top (schematic designator R104)
R104.3 "Resistor" 0402 49999.5,49999.5 r0 top (schematic designator R104)
R104.4 "Resistor" 0402 9340,4495 r90 top (schematic designator R104)
R104.5 "Resistor" 0402 49999.5,49999.5 r0 top (schematic designator R104)
R104.6 "Resistor" 0402 9340,12320 r90 top (schematic designator R104)
R104.7 "Resistor" 0402 49999.5,49999.5 r0 top (schematic designator R104)
R104.8 "Resistor" 0402 49999.5,49999.5 r0 top (schematic designator R104)
R105.1 "Resistor" 0402 49999.5,49999.5 r0 top (schematic designator R105)
R105.2 "Resistor" 0402 8950,3325 r90 top (schematic designator R105)
R105.3 "Resistor" 0402 49999.5,49999.5 r0 top (schematic designator R105)
R105.4 "Resistor" 0402 8950,4495 r90 top (schematic designator R105)
R105.5 "Resistor" 0402 49999.5,49999.5 r0 top (schematic designator R105)
R105.6 "Resistor" 0402 8950,12320 r90 top (schematic designator R105)
R105.7 "Resistor" 0402 49999.5,49999.5 r0 top (schematic designator R105)
R105.8 "Resistor" 0402 49999.5,49999.5 r0 top (schematic designator R105)
R106.1 "Resistor" 0402 49999.5,49999.5 r0 top (schematic designator R106)
R106.2 "Resistor" 0402 7850,3325 r90 top (schematic designator R106)
R106.3 "Resistor" 0402 49999.5,49999.5 r0 top (schematic designator R106)
R106.4 "Resistor" 0402 7850,4495 r90 top (schematic designator R106)
R106.5 "Resistor" 0402 49999.5,49999.5 r0 top (schematic designator R106)
R106.6 "Resistor" 0402 7850,12320 r90 top (schematic designator R106)
R106.7 "Resistor" 0402 49999.5,49999.5 r0 top (schematic designator R106)
R106.8 "Resistor" 0402 49999.5,49999.5 r0 top (schematic designator R106)
R107.1 "Resistor" 0402 49999.5,49999.5 r0 top (schematic designator R107)
R107.2 "Resistor" 0402 7460,3325 r90 top (schematic designator R107)
R107.3 "Resistor" 0402 49999.5,49999.5 r0 top (schematic designator R107)
R107.4 "Resistor" 0402 7460,4495 r90 top (schematic designator R107)
R107.5 "Resistor" 0402 49999.5,49999.5 r0 top (schematic designator R107)
R107.6 "Resistor" 0402 7460,12320 r90 top (schematic designator R107)
R107.7 "Resistor" 0402 49999.5,49999.5 r0 top (schematic designator R107)
R107.8 "Resistor" 0402 49999.5,49999.5 r0 top (schematic designator R107)
R108.1 "Resistor" 0402 49999.5,49999.5 r0 top (schematic designator R108)
R108.2 "Resistor" 0402 7070,3325 r90 top (schematic designator R108)
R108.3 "Resistor" 0402 49999.5,49999.5 r0 top (schematic designator R108)
R108.4 "Resistor" 0402 7070,4495 r90 top (schematic designator R108)
R108.5 "Resistor" 0402 49999.5,49999.5 r0 top (schematic designator R108)
R108.6 "Resistor" 0402 7070,12320 r90 top (schematic designator R108)
R108.7 "Resistor" 0402 49999.5,49999.5 r0 top (schematic designator R108)
R108.8 "Resistor" 0402 49999.5,49999.5 r0 top (schematic designator R108)
R109 "Resistor" 0603 21780,3610 r90 top
R110 "Resistor" 0603 22060,3610 r90 top
R111 "Resistor" 0603 22330,3610 r90 top
R112 "Resistor" 0603 22580,3610 r90 top
R113 "Resistor" 0603 21510,3610 r90 top
R114 "Resistor" 0402 20815,3635 r90 top
R115 "Resistor" 0402 20545,3635 r90 top
R116 "Resistor" 0402 20275,3635 r90 top
R117 "Resistor" 0402 20005,3635 r90 top
R118 "RES - 1206" RES_1206 19770,3575 r90 top
R119 "Resistor" 0402 19465,3635 r90 top
R120 "Resistor" 0402 19185,3635 r90 top
R121 "RES - 1206" RES_1206 18960,3575 r90 top
R122 "Resistor" 0603 18660,3610 r90 top
R123 "Resistor" 0603 17265,3610 r90 top
R124 "Resistor" 0603 16705,3610 r90 top
R125 "Resistor" 0603 14865,3610 r90 top
R126 "Resistor" 0603 15145,3610 r90 top
R127 "Resistor" 0603 14585,3610 r90 top
R128 "RES - 0402" RES_0402 14010,3640 r90 top
R129 "Resistor" 0402 9395,5520 r90 top
R130 "Resistor" 0402 9115,5520 r90 top
R131 "Resistor" 0402 8855,5520 r90 top
R132 "Resistor" 0402 7630,5520 r90 top
R133 "Resistor" 0402 7350,5520 r90 top
R134 "Resistor" 0402 7070,5520 r90 top
R135 "Resistor" 0603 10545,2440 r90 top
R136 "Resistor" 0603 10825,2440 r90 top
R137 "Resistor" 0603 11105,2440 r90 top
R138 "Resistor" 0603 7740,2440 r90 top
R139 "Resistor" 0603 8020,2440 r90 top
R140 "Resistor" 0603 8300,2440 r90 top
S1 "SCREW" SCREW_4_40 9745,4550 r0 top
S2 "SCREW" SCREW_4_40 8900,4550 r0 top
S3 "SCREW" SCREW_4_40 8040,4550 r0 top
S4 "SCREW" SCREW_4_40 7180,4550 r0 top
SW1 "Button" BUTTON_WS-TASV 14010,7385 r0 top
SW2 "Button" BUTTON_WS-TASV 13485,7385 r0 top
TP1 "TESTPOINT" 0603 14250,4645 r0 top
TP2 "TESTPOINT" 0603 14430,4615 r90 top
TP3 "TESTPOINT" 0603 13530,4615 r90 top
TP4 "TESTPOINT" 0603 13760,4615 r90 top
TP5 "TESTPOINT" 0603 13990,4615 r90 top
TP6 "TESTPOINT" 0603 12330,4615 r90 top
TP7 "TESTPOINT" 0603 12560,4615 r90 top
TP8 "TESTPOINT" 0603 12790,4615 r90 top
TP9 "TESTPOINT" 0603 13020,4615 r90 top
TP10 "TESTPOINT" 0603 13250,4615 r90 top
TP11 "TESTPOINT" 0603 11850,4615 r90 top
TP13 "TESTPOINT" 0603 11070,4615 r90 top
TP14 "TESTPOINT" 0603 11350,4615 r90 top
TP15 "TESTPOINT" 0603 10510,4615 r90 top
TP16 "TESTPOINT" 0603 10790,4615 r90 top
TP17 "TESTPOINT" 0603 10230,4615 r90 top
TP18 "TESTPOINT" 0603 9950,4615 r90 top
TP19 "TESTPOINT" 0603 10540,6965 r90 top
U1 "CS2100_CP" MSOP10 8245,1655 r90 top
U2 "OSC_ASDMB" OSC_ADSMB 8040,1705 r0 top
U3 "REG_SW_AP3513EMPTR-G1" AP3513EMPTR-G1 16965,4110 r0 top
U4 "MCP1700" SOT23_132 16365,4185 r0 top
U5 "REG_LDO_LT1118" SOT-223-3 16105,4080 r0 top
U6 "TL783" TL783 7320,1595 r0 top
U7 "REG_SW_MP3425DL-LF-Z" "14-VFDFN Exposed Pad" 9835,4175 r0 top
U8 "Value" TQFP128_XMOS 11130,6685 r0 top
U9 "USBLC6-2" USBLC6-2 7570,6970 r0 top
U10.1 "MCP1700" SOT23_132 13160,8080 r90 top (schematic designator U10)
U10.2 "MCP1700" SOT23_132 13480,8660 r90 top (schematic designator U10)
U11.1 "CS5368" LQFP_48L_CIRRUS 10770,7950 r0 top (schematic designator U11)
U11.2 "CS5368" LQFP_48L_CIRRUS 10990,8530 r0 top (schematic designator U11)
U12 "AD5144BCPZ10-RL7" QFN50P400X400X100-25N 9575,1270 r0 top
U13 "AD5144BCPZ10-RL7" QFN50P400X400X100-25N 9845,1270 r0 top
U14 "AD5144BCPZ10-RL7" QFN50P400X400X100-25N 7180,1270 r0 top
U15 "AD5144BCPZ10-RL7" QFN50P400X400X100-25N 7450,1270 r0 top
U16.1 "OPA_DUAL" SOP127P600-8N 49999.5,49999.5 r0 top (schematic designator U16)
U16.2 "OPA_DUAL" SOP127P600-8N 23705,3430 r90 top (schematic designator U16)
U16.3 "OPA_DUAL" SOP127P600-8N 49999.5,49999.5 r0 top (schematic designator U16)
U16.4 "OPA_DUAL" SOP127P600-8N 49999.5,49999.5 r0 top (schematic designator U16)
U16.5 "OPA_DUAL" SOP127P600-8N 49999.5,49999.5 r0 top (schematic designator U16)
U16.6 "OPA_DUAL" SOP127P600-8N 49999.5,49999.5 r0 top (schematic designator U16)
U16.7 "OPA_DUAL" SOP127P600-8N 49999.5,49999.5 r0 top (schematic designator U16)
U16.8 "OPA_DUAL" SOP127P600-8N 49999.5,49999.5 r0 top (schematic designator U16)
U16.9 "OPA_DUAL" SOP127P600-8N 49999.5,49999.5 r0 top (schematic designator U16)
U16.10 "OPA_DUAL" SOP127P600-8N 49999.5,49999.5 r0 top (schematic designator U16)
U16.11 "OPA_DUAL" SOP127P600-8N 25175,11255 r90 top (schematic designator U16)
U16.12 "OPA_DUAL" SOP127P600-8N 49999.5,49999.5 r0 top (schematic designator U16)
U16.13 "OPA_DUAL" SOP127P600-8N 49999.5,49999.5 r0 top (schematic designator U16)
U16.14 "OPA_DUAL" SOP127P600-8N 49999.5,49999.5 r0 top (schematic designator U16)
U16.15 "OPA_DUAL" SOP127P600-8N 49999.5,49999.5 r0 top (schematic designator U16)
U16.16 "OPA_DUAL" SOP127P600-8N 26155,2260 r90 top (schematic designator U16)
U17.1 "OPA1664" 14-TSSOP 49999.5,49999.5 r0 top (schematic designator U17)
U17.2 "OPA1664" 14-TSSOP 21705,3400 r0 top (schematic designator U17)
U17.3 "OPA1664" 14-TSSOP 49999.5,49999.5 r0 top (schematic designator U17)
U17.4 "OPA1664" 14-TSSOP 49999.5,49999.5 r0 top (schematic designator U17)
U17.5 "OPA1664" 14-TSSOP 49999.5,49999.5 r0 top (schematic designator U17)
U17.6 "OPA1664" 14-TSSOP 49999.5,49999.5 r0 top (schematic designator U17)
U17.7 "OPA1664" 14-TSSOP 49999.5,49999.5 r0 top (schematic designator U17)
U17.8 "OPA1664" 14-TSSOP 49999.5,49999.5 r0 top (schematic designator U17)
U17.9 "OPA1664" 14-TSSOP 49999.5,49999.5 r0 top (schematic designator U17)
U17.10 "OPA1664" 14-TSSOP 49999.5,49999.5 r0 top (schematic designator U17)
U17.11 "OPA1664" 14-TSSOP 22990,11225 r0 top (schematic designator U17)
U17.12 "OPA1664" 14-TSSOP 49999.5,49999.5 r0 top (schematic designator U17)
U17.13 "OPA1664" 14-TSSOP 49999.5,49999.5 r0 top (schematic designator U17)
U17.14 "OPA1664" 14-TSSOP 49999.5,49999.5 r0 top (schematic designator U17)
U17.15 "OPA1664" 14-TSSOP 49999.5,49999.5 r0 top (schematic designator U17)
U17.16 "OPA1664" 14-TSSOP 23850,2230 r0 top (schematic designator U17)
U18 "ST1S06PUR" DFN6_ST1S06 20175,7505 r0 top
U19 "REG_SW_AP3513EMPTR-G1" AP3513EMPTR-G1 19535,7425 r0 top
U20 "MIC2774N-29YM5-TR" SOT23_5 14480,7495 r0 top
U21.1 "MCP1700" SOT23_132 12260,9240 r90 top (schematic designator U21)
U21.2 "MCP1700" SOT23_132 12500,9820 r90 top (schematic designator U21)
U22.1 "CS4384" LQFP_48L_CIRRUS 10845,9110 r0 top (schematic designator U22)
U22.2 "CS4384" LQFP_48L_CIRRUS 11025,9690 r0 top (schematic designator U22)
U23.1 "OPA1664" 14-TSSOP 49999.5,49999.5 r0 top (schematic designator U23)
U23.2 "OPA1664" 14-TSSOP 24600,3205 r0 top (schematic designator U23)
U23.3 "OPA1664" 14-TSSOP 49999.5,49999.5 r0 top (schematic designator U23)
U23.4 "OPA1664" 14-TSSOP 24600,4375 r0 top (schematic designator U23)
U23.5 "OPA1664" 14-TSSOP 49999.5,49999.5 r0 top (schematic designator U23)
U23.6 "OPA1664" 14-TSSOP 24600,12200 r0 top (schematic designator U23)
U23.7 "OPA1664" 14-TSSOP 49999.5,49999.5 r0 top (schematic designator U23)
U23.8 "OPA1664" 14-TSSOP 49999.5,49999.5 r0 top (schematic designator U23)
U24 "PHY_ KSZ9021RN" PHY_KSZ9021RN 21265,3510 r0 top
U25 "CONN_RJ45_L829_1J1T_43" L829-1J1T-43 7500,1530 r0 top
U26 "OSC_ASDMB" OSC_ADSMB 13865,3595 r0 top
U27 "OPA1622" 10-VFDFN 10440,5475 r0 top